# KiCad board smoothiev2-prime.kicad_pcb (continued)
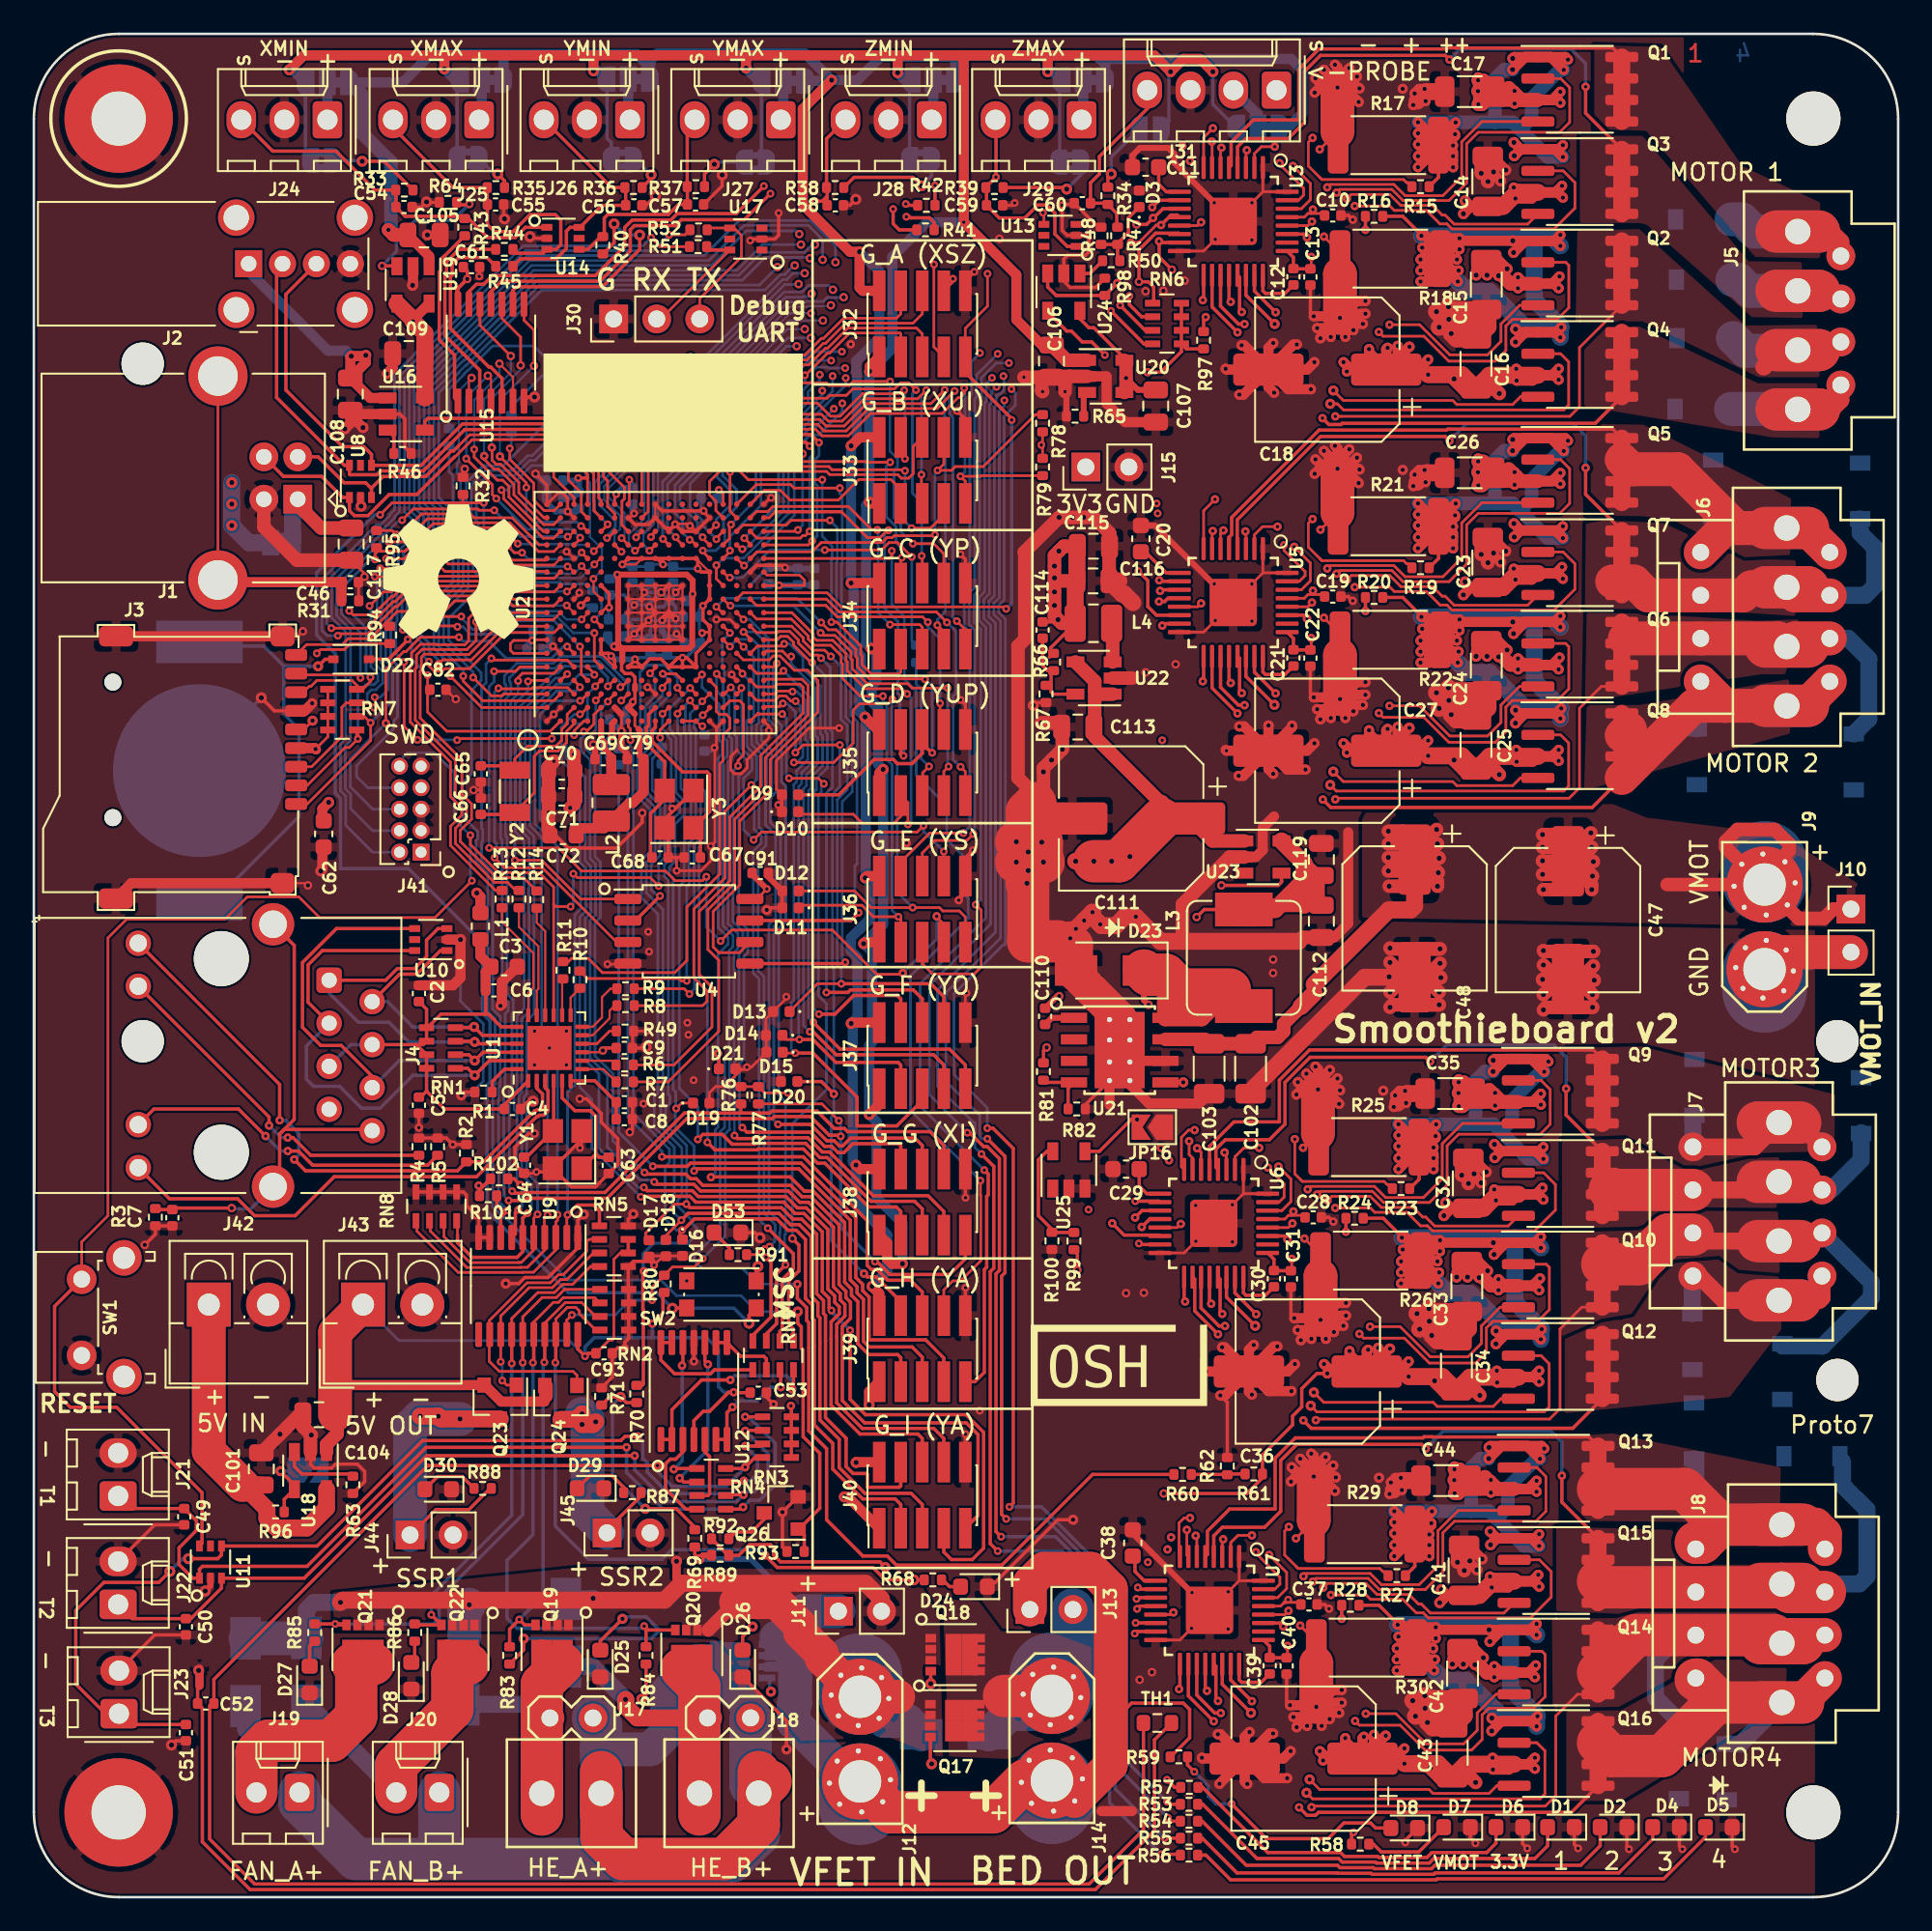
[diagram p0: board, top side]
## Nets (continued)
Net-(Q13-Pad1): Q13.1 Q15.1 R27.1 R29.1
Net-(Q13-Pad2): Q13.2 U7.6
Net-(Q13-Pad4): Q13.4 U7.2
Net-(Q14-Pad1): Q14.1 Q16.1 R28.1 R30.1
Net-(Q14-Pad2): Q14.2 U7.19
Net-(Q14-Pad4): Q14.4 U7.23
Net-(Q15-Pad2): Q15.2 U7.7
Net-(Q15-Pad4): Q15.4 U7.3
Net-(Q16-Pad2): Q16.2 U7.18
Net-(Q16-Pad4): Q16.4 U7.22
Net-(Q25-Pad4): Q25.4 R89.1 R92.2
Net-(R1-Pad1): R1.1 U1.24
Net-(R6-Pad1): R6.1 U1.8
Net-(R7-Pad1): R7.1 U1.7
Net-(R8-Pad1): R8.1 U1.11
Net-(R9-Pad1): R9.1 U1.12
Net-(R10-Pad1): R10.1 U1.13
Net-(R11-Pad1): R11.1 U1.14
Net-(R15-Pad2): R15.2 U3.8
Net-(R16-Pad2): R16.2 U3.17
Net-(R19-Pad2): R19.2 U5.8
Net-(R20-Pad2): R20.2 U5.17
Net-(R23-Pad2): R23.2 U6.8
Net-(R24-Pad2): R24.2 U6.17
Net-(R27-Pad2): R27.2 U7.8
Net-(R28-Pad2): R28.2 U7.17
Net-(R40-Pad1): R40.1 U15.9
Net-(R41-Pad1): R41.1 U15.11
Net-(R42-Pad1): R42.1 U15.13
Net-(R43-Pad1): R43.1 U15.1
Net-(R44-Pad1): R44.1 U15.3
Net-(R45-Pad1): R45.1 U15.5
Net-(R46-Pad1): R46.1 U16.3
Net-(R49-Pad1): R49.1 U1.10
Net-(R50-Pad1): R50.1 U24.1
Net-(R60-Pad1): R60.1 R61.2 R62.1
Net-(R63-Pad1): R63.1 U18.3
Net-(R64-Pad1): R64.1 U19.3
Net-(R65-Pad1): R65.1 U20.3
Net-(R69-Pad1): R69.1 R70.2 R71.2
Net-(R81-Pad2): R81.2 R82.1 U21.4
Net-(R90-Pad1): R90.1 U2.D10
Net-(R97-Pad1): R97.1 R98.2 U24.3
Net-(R100-Pad2): R99.1 R100.2 U25.5
Net-(RN4-Pad5): RN4.5 U12.12
Net-(RN4-Pad6): RN4.6 U12.10
Net-(RN4-Pad7): RN4.7 U12.5
Net-(RN4-Pad8): RN4.8 U12.3
Net-(RN9-Pad5): RN9.5 U12.13 U12.14
Net-(RN9-Pad6): RN9.6 U12.8 U12.9
Net-(RN9-Pad7): RN9.7 U12.6 U12.7
Net-(RN9-Pad8): RN9.8 U12.1 U12.2
Net-(U2-PadB7): U2.B7
Net-(U2-PadC7): U2.C7
Net-(U2-PadC8): U2.C8
Net-(U2-PadD6): U2.D6
Net-(U2-PadD7): U2.D7
Net-(U2-PadD8): U2.D8
Net-(U2-PadD11): U2.D11
Net-(U2-PadD14): U2.D14
Net-(U2-PadE12): U2.E12
Net-(U2-PadF13): U2.F13
Net-(U2-PadH1): U2.H1
Net-(U2-PadH2): U2.H2
Net-(U2-PadH3): U2.H3
Net-(U2-PadH4): U2.H4
Net-(U2-PadJ4): U2.J4
Net-(U2-PadK3): U2.K3
Net-(U2-PadK16): U2.K16
Net-(U2-PadK17): U2.K17
Net-(U2-PadL16): U2.L16
Net-(U2-PadL17): U2.L17
Net-(U2-PadM16): U2.M16
Net-(U2-PadM17): U2.M17
Net-(U2-PadN5): U2.N5
Net-(U2-PadN6): U2.N6
Net-(U2-PadN9): U2.N9
Net-(U2-PadN17): U2.N17
Net-(U2-PadP5): U2.P5
Net-(U2-PadP6): U2.P6
Net-(U2-PadR1): U2.R1
Net-(U2-PadR2): U2.R2
Net-(U2-PadR11): U2.R11
Net-(U2-PadR12): U2.R12
Net-(U2-PadT2): U2.T2
Net-(U2-PadT11): U2.T11
Net-(U8-Pad5): U8.5
Net-(U9-Pad11): U9.11
Net-(U10-Pad5): U10.5
Net-(U11-Pad5): U11.5
Net-(U13-Pad3): U13.3
Net-(U13-Pad5): U13.5
Net-(U13-Pad6): U13.6
Net-(U14-Pad5): U14.5
Net-(U17-Pad1): U17.1
Net-(U17-Pad3): U17.3
Net-(U17-Pad5): U17.5
Net-(U21-Pad2): U21.2
Net-(U21-Pad3): U21.3
Net-(U23-Pad3): U23.3

Pads without a net: J4 7; U25 1

## Via types
v1: diameter 0.6, hole 0.25, Top to Bottom, 389 vias
v2: diameter 0.65, hole 0.3, Top to Bottom, 254 vias
v3: diameter 0.5, hole 0.2, Top to Bottom, 222 vias
v4: diameter 0.5, hole 0.25, Top to Bottom, 84 vias
v5: diameter 0.46, hole 0.2, Top to Bottom, 473 vias

## Routing (per net, layer and track width the routed paths; a pad name or vN(x,y) marks a point on that pad's centre or on a via; arc(x,y) is an arc through that point)
/1.2V_MCU: length 91.3
  Top w0.16: U2.A7 29.44,74.23 v5(29.4,74.19) 28.3,74.19 28.12,74 28.12,73.61 28.3,73.43 U2.A6 ; U2.U11 43.96,77.43 v5(43.97,77.44) 45.47,77.44 45.47,77.75 45.18,78.05 43.25,78.05 U2.U12 ; U2.D17 32.67,83.99 31.68,84.98 30.89,84.98 30.67,84.75 30.67,83.83 31.87,82.63 U2.C17 ; 35.46,69.84 35.46,69.16 35.68,68.95
  Top w0.2: 34.68,73.82 34.42,74.08 v5(34.42,78.08) ; 34.68,73.82 34.87,73.63 38.57,73.63 38.85,73.91 ; 34.68,73.82 34.74,73.76 34.74,72.88 34.68,72.82 34.68,72.44 34.88,72.24 35.26,72.24 35.47,72.03 35.47,70.7 v5(35.34,70.57) ; 34.68,73.82 34.24,73.82 v5(34.23,73.83) ; v5(32.12,83.78) 32.67,83.78
  Top w0.35: 35.46,69.84 U2.G2 35.34,70.5 v5(35.34,70.57) ; 34.72,73.73 34.34,73.73 v5(34.23,73.83) 34.48,74.08 34.48,78.02 v5(34.42,78.08) 38.52,78.08 38.87,77.73 v5(38.87,76.93) 38.85,76.91 38.85,73.91 38.67,73.73 34.72,73.73 ; 34.72,73.73 34.72,72.97 ; 35.67,68.95 35.74,68.89 35.74,67.41 C79.1 ; 35.47,71.28 35.47,71.54
  Top w0.6: C79.1 35.97,65.23 35.34,64.6 35.14,64.6 L2.1 33.64,63.11 31.89,63.11
  In1.Cu w0.6: v5(35.34,70.57) 35.34,71.91 34.72,72.53 34.72,73.68 34.47,73.93 34.23,73.93
  In2.Cu w0.35: v5(32.12,83.78) 32.87,83.03 32.87,80.48 33.28,80.07 33.28,79.98 33.82,79.44 33.82,78.68 v5(34.42,78.08) ; v5(29.4,74.19) 29.63,74.42 32.49,74.42 33.07,73.83 v5(34.23,73.83)
  In2.Cu w0.6: v5(43.97,77.44) 43.77,77.24 39.18,77.24 v5(38.87,76.93)
  Bottom w0.16: v5(38.87,76.93) 38.48,76.54 C96.1
  Bottom w0.2: C97.1 34.17,77.83 v5(34.42,78.08)
  Bottom w0.35: 31.48,83.63 31.97,83.63 v5(32.12,83.78) 32.18,83.72 32.18,82.99 31.85,82.66 C77.1 ; v5(34.23,73.83) 33.86,74.21 C98.1 ; v5(35.34,70.57) 34.92,70.15 C100.1 ; 29.08,73.66 29.08,73.87 v5(29.4,74.19) 29.4,74.74 C73.1 ; C75.1 45.08,77.47 C95.1 45.03,77.44 v5(43.97,77.44) 43.89,77.52 C74.1
/3V3: length 286.4
  Top w0.128: U2.N12 U2.M13 U2.G13 ; U2.M5 U2.K5 ; U2.M1 39.37,69.13 v5(39.44,69.13) ; U2.F5 U2.E6 ; U2.H13 35.52,78.68 v5(34.72,78.68) ; U2.N7 U2.N8 ; U1.9 33.47,49.88 v4(33.57,49.98)
  Top w0.16: U5.29 74.96,76.68 75.18,76.9 75.39,76.9 ; C19.1 76.04,76.9 75.39,76.9 ; 75.39,76.9 75.39,77.05 v3(75.47,77.13) ; U6.29 73.81,40.03 74.03,40.25 74.24,40.25 ; C28.1 74.89,40.25 74.24,40.25 ; 74.24,40.25 74.24,40.4 v3(74.32,40.48) ; U7.29 73.56,17.18 73.78,17.4 74.64,17.4 C37.1 ; U4.8 42.66,58.92 v5(43.25,59.52) ; v5(40.42,83.08) 40.67,82.83 U2.P17 ; R78.2 59.52,85.81 v5(59.45,85.73) 59.52,85.66 R79.2 ; U3.29 74.96,99.18 75.18,99.4 75.39,99.4 ; U2.M1 U2.L1 ; U2.G17 35.13,82.29 v5(35.13,83.68) ; v3(75.47,99.63) 75.39,99.55 75.39,99.4 ; 33.87,76.23 33.87,76.2 v5(33.94,76.13) 33.77,76.13 U2.E9 ; R95.2 21.14,80.68 v5(21.37,80.45) ; C10.1 76.04,99.4 75.39,99.4 ; v5(44.49,47.48) 43.11,47.48 R77.2 R76.2 ; R94.2 18.67,74 18.32,73.66 16.92,73.66 v5(16.7,73.43) ; v5(39.43,74.63) 39.48,74.68 39.87,74.68 ; U2.F17 34.27,82.74 v5(34.36,82.83) ; RN7.1 RN7.4 17.34,68.5 v4(16.62,67.78) ; 37.12,79.03 v5(37.12,78.68)
  Top w0.2: v4(25.57,95.53) 25.02,94.98 U15.14 ; v4(25.57,95.53) 24.95,94.91 24.95,94.11 ; v4(25.57,95.53) 25.57,96 C61.1 ; RN6.5 68.01,91.41 R97.2 ; RN6.5 RN6.8 ; RN6.5 67.71,91.25 66.49,90.03 v3(65.72,90.03) ; U2.L5 v5(38.27,73.17) ; U2.L5 U2.K5 ; U2.L5 U2.M5 ; v5(38.27,73.17) 38.53,73.17 U2.M5 ; v5(38.27,73.17) 38.01,73.17 U2.K5 ; 35.47,73.03 U2.G5 U2.H5 ; 35.47,73.03 v5(35.47,73.08) ; 35.47,73.03 U2.H5 ; U2.J13 36.77,79.03 v5(37.12,78.68) ; U2.M5 39.07,73.43 U2.N7 U2.N8 39.48,75.42 v5(39.48,76.24) U2.N10 U2.N12 39.37,78.23 v5(39.17,78.43) 39.17,78.93 U2.M13 U2.G13 v5(34.72,78.68) ; U2.K5 36.99,73.11 36.35,73.11 U2.H5 ; 59.92,73.2 59.99,73.28 59.99,73.75 L4.1 ; 73.78,17.4 73.85,17.4 v5(74.01,17.56) ; SW2.2 42.62,37.13 v2(42.72,37.23) ; C114.2 60.3,75.28 v2(60.43,75.42) ; C9.1 33.72,50.13 v4(33.57,49.98) ; v5(33.94,76.13) 33.94,76.96 U2.E11 ; v3(26.25,42) 26.3,41.95 R101.2 26.3,41.75 26.95,42.41 ; 64.35,90.73 64.35,90.86 62.55,92.66 62.24,92.66 61.72,93.18 U24.5 ; U2.F5 34.27,73.06 v5(34.06,73.27) 33.9,73.43 U2.E6 U2.E7 ; R57.1 67.31,6.48 v5(66.86,6.93) ; 38.72,36.38 v5(38.52,36.38) ; v3(44.67,29) 44.7,28.98 RN3.8 RN3.5
  Top w0.35: U2.F1 34.11,69.27 v4(34.11,68.54) ; C91.1 42.38,60.39 v5(43.25,59.52) ; v1(64.45,89.68) 65.14,88.98 C107.1
  Top w0.6: 26.34,58.11 26.34,59.07 v2(26.13,59.28) ; 17.02,63.59 17.02,64.26 v2(17.4,64.63) ; J3.4 16.57,67.83 v4(16.62,67.78) 16.64,67.75
  Top w0.8: 60.22,77.68 v2(60.22,77.06) v2(60.22,76.25) 60.22,75.63 v2(60.43,75.42) 60.64,75.2 L4.1 ; 60.22,77.68 60.24,77.7 C116.1 ; 60.22,77.68 v2(60.22,77.88) v2(60.22,78.58) 60.22,79.2 v2(60.48,79.47) 60.77,79.75 C115.1 ; v4(31.64,64.31) 31.87,64.53 31.87,65.38 ; 64.35,88.83 64.45,88.93 v1(64.45,89.68) 64.45,90.63 64.35,90.73 ; C70.1 31.92,65.43 ; 31.87,66.93 v4(31.87,67.45)
  Top w1: L4.1 61.45,77.61 C116.1 61.55,79.73 C115.1
  In1.Cu w0.2: v5(62.23,40.59) 62.24,40.6 67.54,40.6 67.93,40.21 74.05,40.21 v3(74.32,40.48) ; v3(75.47,99.63) 75.87,99.23 76.27,99.23 76.82,98.68 76.82,97.53 74.87,95.58 72.47,95.58 72.22,95.33 68.72,95.33 67.87,94.48 67.87,92.18 v3(65.72,90.03) ; v5(65.73,19.77) 68.45,17.05 73.5,17.05 v5(74.01,17.56) ; v5(66.58,68.3) 66.66,68.3 67.87,69.51 67.87,71.98 68.72,72.83 72.22,72.83 72.47,73.08 74.87,73.08 76.82,75.03 76.82,76.18 76.27,76.73 75.87,76.73 v3(75.47,77.13)
  In2.Cu w0.2: v5(62.23,40.59) 62.23,36.04 68.22,30.05 68.22,24.05 65.73,21.56 v5(65.73,19.77) 65.4,19.77 63.98,18.34 63.98,9.81 v5(66.86,6.93)
  In2.Cu w0.35: v4(34.11,68.54) 34.11,67.85 33.67,67.41 31.92,67.41 v4(31.87,67.45)
  In2.Cu w0.6: 69.27,48.88 69.27,57.51 69.29,57.53 69.29,63.99 66.98,66.3 66.98,66.9 66.58,67.3 v5(66.58,68.3) 66.58,68.77 61.67,73.68 61.67,78.93 63.85,81.11 65.3,81.11 ; v4(25.57,95.53) 25.57,90.88 ; 67.22,84.78 65.72,86.28 v3(65.72,90.03)
  Bottom w0.16: v5(35.13,83.68) 35.32,83.49 C92.1 ; v5(39.17,78.43) 37.85,78.43 C83.1 37.6,78.68 v5(37.12,78.68) 36.44,78.68 C85.1 C90.1 34.84,78.56 v5(34.72,78.68) ; v5(39.48,76.24) 39.27,76.03 C84.1 39.27,74.79 v5(39.43,74.63) 39.43,74.13 C87.1 ; v5(40.42,83.08) 40.42,82.63 40.37,82.58 C94.1 ; v5(33.94,76.13) 33.91,76.1 C88.1
  Bottom w0.2: 39.57,68.61 39.44,68.74 v5(39.44,69.13) ; 36.37,73.17 35.56,73.17 v5(35.47,73.08) ; C86.1 36.39,73.33 C89.1 ; 37.37,73.17 v5(38.27,73.17) 38.47,73.17 C87.1
  Bottom w0.35: C92.1 34.72,83.19 v5(34.36,82.83) ; v4(34.11,68.54) 33.88,68.31 33.88,67.27 34.3,66.85 C118.1 ; v5(34.06,73.27) 34.25,73.08 v5(35.47,73.08)
/3V3_LIMIT: length 221.3
  Top w0.6: J37.1 49.88,46.79 v2(49.29,46.2) ; v2(49.31,90.08) 49.31,90.36 J32.1 ; v2(49.39,73.73) 49.43,73.68 J34.1 ; v2(42.02,107.98) 42.02,108.53 42.22,108.73 ; 51.07,108.73 50.97,108.63 v2(50.97,107.7) ; 51.07,108.73 54.65,108.73 ; 51.07,108.73 42.22,108.73 ; v2(59.82,107.76) 59.82,108.53 60.02,108.73 ; v2(50.11,66.58) 49.88,66.35 J35.1 ; v2(69.57,107.76) 68.82,108.52 67.82,108.52 v2(67.07,107.76) 66.1,108.73 60.02,108.73 ; 59.47,91.63 57.97,93.13 57.97,95.78 v5(54.87,98.88) 54.87,108.51 54.65,108.73 ; v2(47.82,23.63) 48.03,23.63 J40.1 ; v2(51.25,37.39) 50.63,37.39 50.35,37.67 50.35,38.61 J38.1 ; 54.65,108.73 60.02,108.73 ; 42.22,108.73 32.92,108.73 ; v2(15.07,107.88) 15.92,108.73 24.12,108.73 ; v2(48.96,56.29) 49.05,56.38 J36.1 ; J33.1 49.37,82.28 v2(49.29,82.36) ; v2(33.02,107.81) 33.02,108.63 32.92,108.73 ; 24.12,108.73 24.22,108.63 v2(24.22,107.93) ; 24.12,108.73 32.92,108.73 ; J39.1 49.29,29.84 v2(49.29,29.06)
  Top w0.8: U20.1 60.95,90.73 C106.1
  In2.Cu w0.6: v2(51.25,37.39) 51.25,31.03 v2(49.29,29.06) 49.29,25.1 v2(47.82,23.63)
  Bottom w0.2: JP12.1 42.92,102.73 JP4.3 ; JP14.1 60.53,102.49 60.53,107.19 JP6.3 ; JP2.3 24.97,107.13 JP10.1 ; JP1.3 16.02,102.83 JP9.1 ; v2(69.57,107.76) 69.57,105.83 JP8.3 ; JP3.3 33.82,107.28 33.82,103.83 34.07,103.58 JP11.1 ; JP5.3 51.67,107.18 JP13.1 ; v2(67.07,107.76) 66.97,107.66 66.97,104.83 JP7.1
  Bottom w0.6: v2(59.82,107.76) 60.14,107.76 JP6.3 ; v2(50.97,107.7) 51.39,107.28 JP5.3 ; v2(51.25,37.39) 51.25,39.77 49.72,41.31 49.72,45.78 v2(49.29,46.2) 49.29,50.3 49.45,50.45 49.45,55.81 v2(48.96,56.29) 50.11,57.44 v2(50.11,66.58) 49.81,66.87 49.81,70.2 49.44,70.57 49.44,71.54 49.71,71.81 49.71,73.4 v2(49.39,73.73) 49.11,74.01 49.11,82.17 v2(49.29,82.36) 49.29,90.06 v2(49.31,90.08) 50.65,91.41 50.65,96.84 52.7,98.88 v5(54.87,98.88) ; v2(15.07,107.88) 15.27,107.88 JP1.3 ; JP2.3 24.87,107.28 v2(24.22,107.93) ; JP4.3 42.77,107.23 v2(42.02,107.98) ; v2(33.02,107.81) 33.29,107.81 JP3.3
/5V: length 297.8
  Top w0.16: RN5.2 34.6,38.03 34.22,37.66 34.22,32.98 34.12,32.88 33.94,32.88 C93.1
  Top w0.2: C53.1 41.32,29.78 v3(41.3,29.81) 40.99,29.81 39.87,28.68 39.49,28.68 38.95,28.13 U12.4 ; U9.20 32.1,32.35 v5(32.52,31.93) 32.69,32.11 C93.1 ; RN5.3 RN5.2 ; R80.2 37.12,35.62 37.12,34.48 v3(36.49,33.86)
  Top w0.6: 30.22,29.58 30.12,29.48 30.12,29.25 27.57,29.25 26.59,30.23 17.89,30.23 17.77,30.11 ; U19.5 22.37,93.13
  Top w0.8: 30.22,30.2 30.22,29.58 ; U18.1 17.27,26.73 17.89,27.36 17.89,28.36 C104.1 ; 62.59,71.22 62.59,68.51 66.52,64.58 ; 62.59,71.22 62.8,71.02 U22.1 ; 62.59,71.22 62.59,71.78 U22.4 ; C111.1 69.55,62.36 U23.1
  Top w1: v2(61.47,61.16) 64.39,61.16 v2(64.67,61.43) 64.67,62.73 66.52,64.58 ; U16.5 23.07,92.33 v1(22.37,93.03) 22.37,93.13 U19.4 ; C104.1 17.77,33.33
  Top w2: C104.1 17.77,33.33 J43.1
  Top w2.5: 66.52,63.66 64.02,61.16 v2(62.54,61.16)
  In1.Cu w1: v1(22.37,93.03) 21.32,91.98 17.42,91.98 11.77,86.33 8.52,86.33
  In1.Cu w2.5: 8.52,86.33 4.67,86.33 2.54,84.2 2.54,42.5 4.37,40.67 7.68,40.67 8.65,39.7 8.65,38.81 8.98,38.48 15.97,38.48 19.42,35.03
  In2.Cu w2: 45.92,20.13 45.62,20.13 44.62,19.13
  In2.Cu w2.5: v2(64.67,61.43) 64.39,61.16 v2(62.54,61.16) 57.48,56.09 57.48,46.44 57.87,46.05 57.87,27.57 53.8,23.5 ; 30.6,13.36 30.49,13.47 27.06,13.47 26.5,14.03 22.73,14.03 20.86,15.9 20.86,17.04 19.42,18.48 J43.1 ; 30.62,13.39 31.25,14.01 34.04,14.01 34.37,13.68 37.67,13.68 41.64,17.65 43.34,17.65 44.72,19.03 ; 53.72,23.33 51.6,23.33 48.82,20.55 46.14,20.55 44.42,18.83
  Bottom w0.16: J43.1 21.55,32.86 31.59,32.86 v5(32.52,31.93)
  Bottom w0.2: v3(41.3,29.81) 40.72,29.81 40.39,30.13 40.39,32.33 39.7,33.03 36.45,33.03 ; 36.45,33.03 36.49,33.08 v3(36.49,33.86) ; 36.45,33.03 33.07,33.03 32.52,32.48 v5(32.52,31.93)
  vias: v2(63.6,61.16)
/5V_IN: length 86.5
  Top w1: U18.5 17.27,22.97 16.09,21.79 14.32,21.79 13.75,22.36 R96.2 13.75,22.9 12.32,24.33 C101.1
  Top w2: 12.32,24.33 10.32,26.33 J42.1
  In2.Cu w1: v2(11.68,83.51) 11.68,83.01 10.91,82.24 11.68,81.48 v2(11.68,80.97)
  In2.Cu w2.5: 10.37,34.88 10.37,37.93 8.13,40.17 7.88,40.17 7.34,40.71 4.49,40.71 2.22,42.98 2.22,76.03 8.43,82.24 10.91,82.24
  Bottom w1: JP17.2 12.69,79.96 v2(11.68,80.97) v2(11.68,82.24) v2(11.68,83.51)
/5V_LIMIT: length 187.9
  Top w0.6: J36.2 49.16,60.28 v2(49.06,60.17) ; J33.2 48.72,86.18 v2(48.22,85.68) ; C105.1 23.32,96.88 U19.1 ; J38.2 48.75,42.98 v2(48.51,43.22) ; J35.2 49.78,68.93 v2(49.04,69.67) ; J40.2 48.54,25.68 v2(48.52,25.66) ; v2(47.07,107.27) 45.37,105.57 45.37,99.92 48.15,97.14 v2(48.72,97.14) 48.72,95.02 48.91,94.83 J32.2 ; J39.2 49.88,35.64 v2(49.46,36.06) ; v2(48.22,51.58) 48.28,51.63 J37.2 ; J34.2 v2(48.22,77.58)
  Top w0.8: v1(20.92,98.43) 21.22,98.13 C105.1
  In2.Cu w0.6: v2(48.52,25.66) 48.52,31.72 49.46,32.66 v2(49.46,36.06)
  Bottom w0.6: 54.37,108.46 54.17,108.66 49.99,108.66 48.6,107.27 v2(47.07,107.27) ; 54.37,108.46 JP5.1 ; 54.37,108.46 54.36,108.46 54.61,108.71 62.71,108.71 62.9,108.52 ; JP8.1 74.02,104.48 74.85,105.31 74.85,107.87 74.19,108.52 62.9,108.52 ; JP1.1 21.75,107.13 23.42,108.8 27.64,108.8 ; JP2.1 27.72,108.72 27.64,108.8 ; JP6.1 63.22,108.2 62.9,108.52 ; 27.64,108.8 35.58,108.8 36.34,108.04 36.34,107.46 36.37,107.43 JP3.1 36.37,108.43 36.78,108.84 45.5,108.84 v2(47.07,107.27) ; JP4.1 47.03,107.23 v2(47.07,107.27) ; 48.63,97.15 48.64,97.14 v2(48.72,97.14) 49.88,95.98 49.88,92.04 48.53,90.69 48.53,90.03 48.56,90 48.56,86.02 v2(48.22,85.68) v2(48.22,77.58) 48.38,77.42 48.38,73.68 48.8,73.25 48.8,71.93 48.71,71.84 48.71,70 v2(49.04,69.67) 49.08,69.63 49.08,60.2 v2(49.06,60.17) 49.33,59.9 49.33,57.75 48.2,56.62 48.2,55.87 48.59,55.48 48.59,51.94 v2(48.22,51.58) 48.32,51.48 48.32,43.41 v2(48.51,43.22) 48.51,40.94 50.35,39.11 50.35,36.95 v2(49.46,36.06)
  Bottom w0.8: v1(20.92,98.43) 21.07,98.58 21.07,102.43 19.32,104.18 19.32,106.43 JP1.1
/mosfets/GND_FET: length 65.9
  Top w0.8: 43.05,18.53 41.93,17.41 41.43,17.41 Q20.1
  Top w1: v2(18.09,17.4) 18.22,17.53 37.22,17.53 38.22,18.53 49.07,18.53 50.01,17.59 J11.2
  Top w2: 41.43,17.41 43.83,17.41 45.22,16.03 45.22,15.63 46.49,14.35 46.49,14.08 ; 46.49,14.08 46.49,14.12 ; 46.49,14.08 J12.2 ; J12.2 50.99,11.83 ; J12.2 48.74,11.98
  Bottom w1: v2(33,17.64) 32.97,17.61 D50.2 ; v2(18.09,17.4) 16.53,17.4 16.08,16.95 D52.2
  Bottom w2: D51.2 16.06,15.28 D52.2 ; v2(25.69,17.26) 25.4,16.97 D48.2 ; D49.2 51.56,10.4 50.17,10.4 J12.2
/VBAT: length 17.1
  Top w0.16: U2.B1 30.48,68.84 24.36,68.84 23.23,69.97 23.23,70.42 ; 23.23,70.42 23.23,71.15 C82.1 ; 23.23,70.42 v5(23.23,72.14)
  Top w0.2: D22.1 20.92,73.08 21.29,73.45 21.31,73.45 21.52,73.67 21.52,73.68 22.06,74.22 v5(22.06,74.26)
  Bottom w0.16: v5(23.23,72.14) 22.29,73.08 22.29,74.03 v5(22.06,74.26)
GND: length 967.8
  Top w0.128: U2.K11 U2.K7 ; U2.G10 U2.L10 ; J3.11 16.04,59.86 v4(16.17,59.73) ; v5(38.71,80.96) 38.74,80.96 U2.M15 38.62,81.08 38.45,81.08 38.44,81.07 38.1,81.07 38.09,81.08 37.92,81.08 U2.K15 U2.J16 U2.J17 ; U2.G11 U2.H11 ; U2.G11 U2.G7 U2.L7 U2.L11 U2.G11 ; U2.H11 35.87,77.18 v5(36.02,77.03) ; U2.H11 U2.H7 ; J3.10 15.57,74.43 v4(15.87,74.73) ; v4(19.5,77.95) 19.17,77.61 R31.2 19.15,76.55 C46.2 ; U2.G9 U2.L9 ; v5(32.18,77.01) 32.18,76.94 U2.C10 ; U2.A1 U2.B2 ; U2.C13 31.47,79.43 v5(31.43,79.43) ; U2.G8 U2.L8 ; U2.J7 U2.J11
  Top w0.16: U5.32 72.52,78.18 ; 72.52,78.18 U5.1 ; 72.52,78.18 v3(71.87,77.53) U5.33 ; U5.33 v3(71.87,75.33) ; U5.33 v3(69.71,75.37) 69.02,74.68 U5.16 ; U6.32 71.37,41.53 ; 71.37,41.53 U6.1 ; 71.37,41.53 v3(70.72,40.88) U6.33 ; U6.33 v3(70.72,38.68) ; U6.33 v3(68.56,38.72) 67.87,38.03 U6.16 ; U7.32 71.12,18.68 ; 71.12,18.68 U7.1 ; 71.12,18.68 v3(70.47,18.03) U7.33 ; U7.33 v3(70.47,15.83) ; U7.33 v3(68.31,15.87) 67.62,15.18 U7.16 ; U2.U1 43.37,69.13 v5(43.37,68.88) 43.37,68.43 42.09,67.14 42.09,66.67 41.74,66.32 41.34,66.32 41.11,66.55 41.11,67.33 41.5,67.72 ; v5(41.18,72.18) 41.18,72.12 U2.R4 ; U2.A1 v5(30.67,69.83) ; v5(44.39,53.16) 44.39,53.06 43.2,51.86 D14.2 43.22,50.86 D15.2 42.33,48.99 v5(42.07,48.99) 41.93,48.86 41.74,48.86 40.74,47.86 40.23,47.86 39.86,47.49 D19.2 ; v4(34.67,68.84) 34.67,68.85 34.67,69.83 ; v4(24.89,70.73) 24.87,70.73 C82.2 ; U3.16 69.02,97.18 v3(69.71,97.87) U3.33 ; v5(47.52,69.01) 45.73,69.01 43.81,67.09 43.81,65.4 D9.2 ; v4(29.6,84.03) 30.27,83.36 U2.A17 30.92,82.88 31.21,82.88 31.5,82.59 v5(31.5,81.8) U2.C16 ; U4.4 35.02,55.08 v5(33.85,55.08) ; v5(36.21,71.43) 36.27,71.43 U2.J3 ; v5(36.6,37.31) 36.6,37.31 37.12,37.84 ; v5(26.28,95.68) 26.3,95.7 C61.2 ; 37.92,61.38 37.92,60.61 v5(37.93,60.6) 39.35,60.6 39.94,61.19 v5(39.94,62.05) 40.18,62.29 40.18,67.83 v5(40.16,67.86) 40.27,67.97 40.27,69.03 ; 38.12,37.86 36.14,37.86 36.02,37.73 ; C9.2 35.32,51.06 R49.2 36.16,51.13 v5(36.17,51.14) ; U2.L11 v5(37.87,77.03) ; U2.B6 30.65,73.85 v5(30.63,73.85) ; U3.33 v3(71.87,100.03) 72.52,100.68 ; U3.33 v3(71.87,97.83) ; 38.1,64.5 37.86,64.27 v5(37.67,64.27) ; 40.27,69.03 U2.N1 ; 40.27,69.03 U2.P1 ; v5(43.5,82.62) 43.46,82.62 U2.U17 ; v5(55.02,53.38) 54.96,53.32 J37.10 ; U2.L7 v5(37.92,74.58) ; U2.G7 v5(35.42,74.58) ; C117.2 19.5,78.15 v4(19.5,77.95) ; v3(54.57,58.86) 54.96,59.25 J36.10 ; v5(35.41,81.68) 35.16,81.43 U2.G16 ; U3.1 72.52,100.68 ; 72.52,100.68 U3.32 ; v5(32.22,44.23) 32.32,44.33 Y1.2 ; v5(29.65,42.81) 29.57,42.73 C64.2 ; C79.2 35.01,67.49 ; v5(39.52,81.84) 39.52,81.78 U2.N16 ; v5(40.27,75.43) 41.07,75.43 U2.R8
  Top w0.2: v1(75.52,70.83) 75.32,71.03 C21.1 ; v3(77.82,76.53) 77.57,76.78 C19.2 ; U5.33 69.67,77.53 v3(69.65,77.53) ; v1(74.37,34.18) 74.17,34.38 C30.1 ; v3(76.67,39.88) 76.42,40.13 C28.2 ; 63.77,42.98 C29.2 63.67,43.08 ; v1(74.12,11.33) 73.92,11.53 C39.1 ; v3(76.42,17.03) 76.17,17.28 C37.2 ; U8.2 19.27,82.15 v2(19.31,82.12) ; J3.6 14.19,70.03 v2(13.42,70.81) ; U7.33 68.33,17.97 v3(68.33,17.98) ; J32.10 54.96,95.42 v5(55.49,95.95) ; v1(61.32,22.28) 60.42,22.28 56.72,18.58 56.39,18.58 ; v3(30.42,50.13) v3(31.42,51.13) ; v3(30.42,50.13) v3(31.42,49.13) ; v3(30.42,50.13) 30.42,50.25 v3(29.54,51.13) ; v3(30.42,50.13) 29.54,49.25 v3(29.54,49.13) ; C59.2 57.73,99.88 v5(57.87,100.02) ; v5(36.32,76.18) U2.J9 36.27,75.43 v5(36.27,75.38) 35.92,75.03 U2.H8 v5(35.42,74.58) ; C51.2 8.37,9.23 v2(8.12,8.98) ; U14.2 29.37,97.93 v2(29.27,98.03) ; v1(70.01,29.62) 70.42,29.21 70.42,25.95 ; C64.2 28.38,43.27 28.38,44.27 29.19,45.08 v4(29.54,45.08) ; J40.10 54.96,27.32 v5(54.97,27.33) ; v5(54.97,41.29) 54.96,41.3 J38.10 ; v5(42.27,97.8) 42.36,97.89 U17.2 43.72,97.89 43.95,98.12 v5(43.95,99.43) ; v1(32.44,40.3) 32.1,39.95 U9.1 32.1,38.33 30.34,36.58 28.97,36.58 28.61,36.22 v1(27.84,36.22) ; v1(25.22,47.33) 25.42,47.53 R1.2 ; D21.2 41.7,48.9 41.74,48.86 ; U2.T12 42.66,78.62 44.19,78.62 v5(44.32,78.49) ; 64.92,102.13 C11.2 64.82,102.23 ; v5(100.37,2.83) 100.21,2.99 D5.1 ; v2(29.45,46.99) 29.18,46.99 C4.2 ; v3(68.55,40.83) 68.57,40.83 U6.33 ; Y3.2 37.22,63.63 Y3.4 37.43,62.92 C68.2 C67.2 ; 59,70.39 v2(58.97,70.36) 59.14,70.52 R67.2 ; v3(69.65,100.03) 69.67,100.03 U3.33 ; C58.2 48.15,99.88 v2(48.5,100.23) ; U18.2 16.32,25.55 16.54,25.33 17.57,25.33 17.8,25.56 19.09,25.56 19.52,25.13 19.52,24.53 R63.2 ; J22.2 7.13,21.98 C49.2 ; v4(32.21,47.13) 32.61,47.13 33.48,46.26 33.48,45.75 34.46,44.77 34.46,43.26 C63.2 33.13,41.93 31.72,41.93 Y1.4 ; C7.2 R3.2 7.17,39.14 v4(6.54,38.51) ; Y1.4 32.32,44.73 Y1.2 ; Y1.4 30.4,42.81 v5(29.65,42.81) ; v1(43.24,58.28) 43.36,58.41 D11.2 D12.2 ; U2.G16 35.46,81.04 36.28,81.04 U2.J16 37.28,80.82 37.6,80.82 v5(37.83,81.05) 38.25,80.63 U2.L15 U2.M15 U2.N16 ; U12.11 v3(38.95,31.63) ; v4(35.89,64) 35.89,63.45 34.37,61.93 31.52,61.93 30.35,63.11 ; D53.1 42.55,39.23 v2(42.85,38.93) ; v5(55.41,61.81) 54.96,61.36 J36.10 ; v5(97.27,2.83) 97.1,3 D4.1 ; J23.2 7.13,15.48 C50.2 ; v5(85.06,3.18) 84.76,3.48 D7.1 ; v3(43.64,29.11) 43.23,29.53 43.23,29.78 ; 26.37,65.38 25.97,65.38 v4(25.95,65.36) ; 26.37,65.38 C65.2 ; 26.37,65.38 C66.2 ; J39.10 54.96,35.97 v5(54.97,35.98) ; v2(40.61,101.67) 40.61,101.02 C57.2 ; 22.59,41.63 25.34,41.63 25.52,41.45 25.52,40.83 v5(26.09,40.25) 26.25,40.11 U9.10 U9.9 ; NT11.2 9.77,13.43 v2(9.72,13.38) ; J33.10 54.96,87.25 v5(54.47,87.74) ; v4(35.16,45.16) 35.32,45.32 C8.2 C1.2 ; 22.72,44.81 24.34,44.81 v3(24.72,44.43) R2.2 ; RN5.4 35.07,40.03 v1(35.37,40.33) ; C56.2 36.12,99.88 v2(36.67,100.43) ; 44.14,64.59 D9.2 ; 44.14,64.59 44.03,64.59 v5(43.92,64.48) ; 44.14,64.59 D10.1 ; U15.7 29.17,88.56 v2(29.54,88.56) ; R64.2 23.2,100.06 v2(23.17,100.08) 22.87,99.78 C54.2 ; C60.2 62.79,98.61 62.92,98.61 ; R32.1 25.32,84.21 v4(25.42,84.32) ; D2.1 93.99,2.96 v5(94.12,2.83) ; D8.1 80.92,3.35 v5(80.92,3.23) ; U21.9 62.05,46.78 R82.2 ; v1(44.41,8.72) 44.41,10.42 D26.1 ; D17.2 36.6,37.51 v5(36.6,37.31) 36.37,37.53 35.37,37.53 RN5.1 35.07,35.91 RN2.4 35.1,32.98 34.87,32.76 v5(34.87,32.43) 34.45,32.43 34.13,32.11 34.13,30.7 R71.1 ; C9.2 36.07,50.13 v2(36.12,50.18) ; 61.42,99.93 60.72,99.93 v5(60.67,99.88) 60.67,98.41 60.97,98.11 U13.2 62.1,98.11 62.24,97.95 62.24,97.13 62.05,96.93 60.99,96.93 60.77,96.7 U24.2 60.77,95.41 61.14,95.03 62.65,95.03 R98.1 ; v1(75.52,93.33) 75.32,93.53 C12.1 ; v5(54.67,79.28) 54.96,78.99 J34.10 ; D1.1 90.89,3.1 v5(91.12,2.88) ; U16.2 21.6,87.56 21.89,87.26 21.89,85.59 22.25,85.23 ; v4(37.02,77.03) 37.42,77.43 U2.K11 ; v5(88.12,2.88) 87.85,3.16 87.85,4.13 ; v5(39.52,81.84) 39.51,81.84 37.06,81.84 U2.J17 ; 16.32,27.18 16.32,27.23 v2(16.37,27.28) ; C10.2 77.57,99.28 v3(77.82,99.03) ; v2(27.77,99.08) 27.72,99.13 C55.2 ; C5.2 v3(22.72,45.43) ; 44.43,20.41 44.17,20.67 v1(44.17,22.73) 45.07,23.63 Q26.2 ; v5(54.68,70.68) 54.96,70.4 J35.10
  Top w0.35: v4(34.67,68.84) 34.67,67.83 35.01,67.49 ; v5(60.85,88.88) 60.92,88.8 R65.2 ; U3.33 70.75,98.93 67.28,102.4 67.28,102.92 66.93,103.27 65.27,103.27 64.82,102.82 C11.2 ; 65.32,80.97 66.14,80.97 70.69,76.43 U5.33 ; U7.33 64.84,21.46 C38.2 ; C91.2 43.34,60.22 D12.2 ; v5(37.07,75.38) 37.07,75.43 U2.K9 37.82,75.48 v5(37.87,75.48) ; U11.2 10.42,18.38 v2(10.11,18.07) ; C105.2 v2(23.22,98.13) ; U2.F2 34.67,69.83 ; v4(33.01,68.04) 33.11,67.94 C69.2
  Top w0.6: v1(77.07,70.73) 76.97,70.83 v1(75.52,70.83) ; v1(77.07,70.73) 76.47,70.13 v1(75.72,70.13) ; v1(77.07,70.73) 77.32,70.98 v1(78.57,70.98) ; v1(77.07,70.73) 78.07,71.73 v1(78.57,71.73) ; v1(77.07,70.73) 77.42,70.38 v1(78.42,70.38) ; v1(77.07,70.73) 76.53,70.19 v1(76.53,69.61) ; v1(77.07,70.73) 77.38,70.42 v1(77.38,69.61) ; v1(77.07,70.73) 75.91,69.57 v1(75.91,69.53) ; v1(77.07,70.73) 77.79,70.01 v1(77.86,70.01) ; v1(78.17,83.48) 77.32,84.33 v1(76.92,84.33) ; v1(76.92,84.33) 78.17,84.33 v1(78.22,84.28) ; v1(76.92,84.33) 77.42,84.33 v1(78.07,84.98) ; v1(76.92,84.33) 76.92,84.78 v1(77.62,85.48) ; v1(76.92,84.33) 76.92,85.53 v1(76.77,85.68) ; v1(76.92,84.33) 76.92,84.58 v1(76.12,85.38) ; v1(76.92,84.33) 76.17,84.33 v1(75.62,84.88) ; v1(76.92,84.33) 75.88,84.33 v1(75.58,84.03) ; 70.32,67.73 v5(70.37,67.68) C27.2 ; C27.2 72.85,66.6 v1(73.13,66.32) ; C27.2 75.12,67.68 v1(75.56,68.12) ; C27.2 71.41,69.11 v1(71.13,69.11) ; C27.2 71.36,66.2 v1(71.09,66.2) ; C27.2 73.96,66.57 v1(75.03,66.57) ; C27.2 74.24,69.07 v1(74.24,69.16) ; C27.2 72.85,69.16 v1(72.85,69.17) ; v1(82.06,84.25) 81.74,84.25 v1(81.47,83.98) ; 81.62,83.53 v1(81.39,83.3) ; v2(86.85,79.46) 86.05,80.27 C23.2 85.79,79.69 v2(86.13,79.35) 86.13,79.24 v2(86.55,78.82) ; v1(75.92,34.08) 75.82,34.18 v1(74.37,34.18) ; v1(75.92,34.08) 75.32,33.48 v1(74.57,33.48) ; v1(75.92,34.08) 76.17,34.33 v1(77.42,34.33) ; v1(75.92,34.08) 76.92,35.08 v1(77.42,35.08) ; v1(75.92,34.08) 76.27,33.73 v1(77.27,33.73) ; v1(75.92,34.08) 75.38,33.54 v1(75.38,32.96) ; v1(75.92,34.08) 76.23,33.77 v1(76.23,32.96) ; v1(75.92,34.08) 74.76,32.92 v1(74.76,32.88) ; v1(75.92,34.08) 76.64,33.36 v1(76.71,33.36) ; v1(77.02,46.83) 76.17,47.68 v1(75.77,47.68) ; v1(75.77,47.68) 77.02,47.68 v1(77.07,47.63) ; v1(75.77,47.68) 76.27,47.68 v1(76.92,48.33) ; v1(75.77,47.68) 75.77,48.13 v1(76.47,48.83) ; v1(75.77,47.68) 75.77,48.88 v1(75.62,49.03) ; v1(75.77,47.68) 75.02,47.68 v1(74.59,48.11) ; v1(75.77,47.68) 75.77,47.93 v1(75.09,48.61) ; v1(75.77,47.68) 74.8,47.68 v1(74.5,47.38) ; v1(70.11,32.46) 70.26,32.46 C36.2 ; C36.2 71.7,32.31 v1(71.98,32.6) ; C36.2 73.18,32.51 v1(73.37,32.51) ; C36.2 72.86,29.87 v1(74.2,29.87) ; C36.2 73.97,31.03 v1(74.41,31.47) ; C36.2 69.16,31.03 v1(69.16,31.03) ; C36.2 71.7,29.84 v1(71.87,29.67) ; C36.2 70.28,29.62 v1(70.01,29.62) ; 63.77,42.98 63.67,43.08 ; v1(80.91,47.6) 80.59,47.6 v1(80.32,47.33) ; 80.47,46.88 v1(80.24,46.65) ; v2(85.7,42.81) 84.89,43.61 C32.2 84.64,43.04 v2(84.98,42.7) 84.98,42.59 v2(85.4,42.17) ; v1(75.67,11.23) 75.57,11.33 v1(74.12,11.33) ; v1(75.67,11.23) 75.07,10.63 v1(74.32,10.63) ; v1(75.67,11.23) 75.92,11.48 v1(77.17,11.48) ; v1(75.67,11.23) 76.67,12.23 v1(77.17,12.23) ; v1(75.67,11.23) 76.02,10.88 v1(77.02,10.88) ; v1(75.67,11.23) 75.13,10.69 v1(75.13,10.11) ; v1(75.67,11.23) 75.98,10.92 v1(75.98,10.11) ; v1(75.67,11.23) 74.51,10.07 v1(74.51,10.03) ; v1(75.67,11.23) 76.39,10.51 v1(76.46,10.51) ; v1(76.77,23.98) 75.92,24.83 v1(75.52,24.83) ; v1(75.52,24.83) 76.77,24.83 v1(76.82,24.78) ; v1(75.52,24.83) 76.02,24.83 v1(76.67,25.48) ; v1(75.52,24.83) 75.52,25.28 v1(76.22,25.98) ; v1(75.52,24.83) 75.52,26.03 v1(75.37,26.18) ; v1(75.52,24.83) 75.52,25.08 v1(74.72,25.88) ; v1(75.52,24.83) 74.77,24.83 v1(74.22,25.38) ; v1(75.52,24.83) 74.48,24.83 v1(74.18,24.53) ; v1(68.92,8.23) 68.97,8.18 C45.2 ; C45.2 70.01,9.61 v1(69.86,9.61) ; C45.2 71.45,9.46 v1(71.73,9.75) ; C45.2 72.93,9.66 v1(73.12,9.66) ; C45.2 72.61,7.02 v1(73.95,7.02) ; C45.2 73.72,8.18 v1(74.16,8.62) ; C45.2 v1(69.96,6.69) ; C45.2 71.45,6.83 v1(71.6,6.68) ; 64.8,5.08 62.99,5.08 ; v1(80.66,24.75) 80.34,24.75 v1(80.07,24.48) ; 80.22,24.03 v1(79.99,23.8) ; v2(85.45,19.96) 84.64,20.77 84.39,20.77 84.39,20.19 v2(84.73,19.85) 84.73,19.74 v2(85.15,19.32) ; v1(73.18,88.82) 72.85,89.15 C18.2 ; v1(76.53,92.11) 76.53,92.69 v1(77.07,93.23) ; C112.2 76.73,56.66 77.55,57.48 77.55,62.87 ; v1(74.52,91.66) 74.33,91.66 C18.2 ; v1(77.07,93.23) 78.07,94.23 v1(78.57,94.23) ; v1(77.07,93.23) 77.42,92.88 v1(78.42,92.88) ; v1(77.07,93.23) 77.32,93.48 v1(78.57,93.48) ; v1(77.07,93.23) 77.38,92.92 v1(77.38,92.11) ; v1(77.07,93.23) 75.91,92.07 v1(75.91,92.03) ; v1(77.07,93.23) 76.97,93.33 v1(75.52,93.33) ; v1(77.07,93.23) 76.47,92.63 v1(75.72,92.63) ; v1(77.07,93.23) 77.79,92.51 v1(77.86,92.51) ; v1(78.22,106.78) 78.17,106.83 v1(76.92,106.83) ; v1(77.62,107.98) 76.92,107.28 v1(76.92,106.83) ; 63.47,46.77 U21.9 64.07,48.81 U21.9 ; J3.11 5.75,59.86 J3.11 ; v1(76.92,106.83) 75.88,106.83 v1(75.58,106.53) ; v1(76.92,106.83) 77.42,106.83 v1(78.07,107.48) ; v1(76.92,106.83) 76.92,108.03 v1(76.77,108.18) ; v1(76.92,106.83) 76.92,107.08 v1(76.12,107.88) ; v1(76.92,106.83) 77.32,106.83 v1(78.17,105.98) ; v1(76.92,106.83) 76.17,106.83 v1(75.62,107.38) ; 81.62,106.03 v1(81.39,105.8) ; C18.2 71.41,91.61 v1(71.26,91.61) ; C18.2 71.37,88.7 v1(71.13,88.7) ; C18.2 75.12,90.18 v1(75.56,90.62) ; C18.2 72.85,91.46 v1(73.13,91.75) ; C18.2 70.37,90.18 v1(70.32,90.23) ; C18.2 74.01,89.02 v1(75.35,89.02) ; C107.2 64.39,87.08 63.3,88.18 63.3,89.76 63.27,89.78 U20.2 ; v4(27.53,52.62) 27.62,52.71 C6.2 27.62,54.03 C3.2 ; J3.10 14.67,74.44 J3.11 ; U21.9 64.7,49.37 U21.6 ; U21.9 64.07,48.58 65.8,46.86 68.77,46.86 C103.2 ; v2(86.55,101.32) 86.13,101.74 v2(86.13,101.85) 85.79,102.19 C14.2 86.05,102.77 v2(86.85,101.96) ; 73.18,63.8 72.51,63.13 72.51,61.82 72.1,61.41 U23.2 ; v1(81.47,106.48) 81.74,106.75 v1(82.06,106.75) ; C108.2 18.67,87 v2(18.34,86.68) ; C108.2 18.89,87.56 U16.2 ; C108.2 18.67,87.5 v2(19.42,86.75) ; 64.92,102.13 64.82,102.23 ; v2(22.34,95.16) 22.37,95.18 U19.2 ; v4(16.42,70.48) 15.97,70.03 J3.6 ; U10.2 v2(25.17,56.53) 25.17,54.28 24.72,53.83 C2.2 ; C109.2 21.17,90.28 v4(20.83,89.94) ; v2(16.93,60.58) 17.02,60.67 17.02,62.05